# Altium PCB RK_NVR_DEMO1_RK3588_LP4XD200P232SD8_V21_20211228_final_lint.PcbDoc (part 20 of 29)
Units mm, origin at the board's own origin, x right, y up, seen from the top; angles counter-clockwise.
Board outline 170.08 x 169.98 mm, 8 copper layers (TOP, L2-GND1, L3-POWER1, L4-S1, L5-GND2, L6-S2, L7-GND3, BOTTOM), stack 2.118 mm thick; 1650 components, 1119 nets, 6165 pads, 15417 vias.
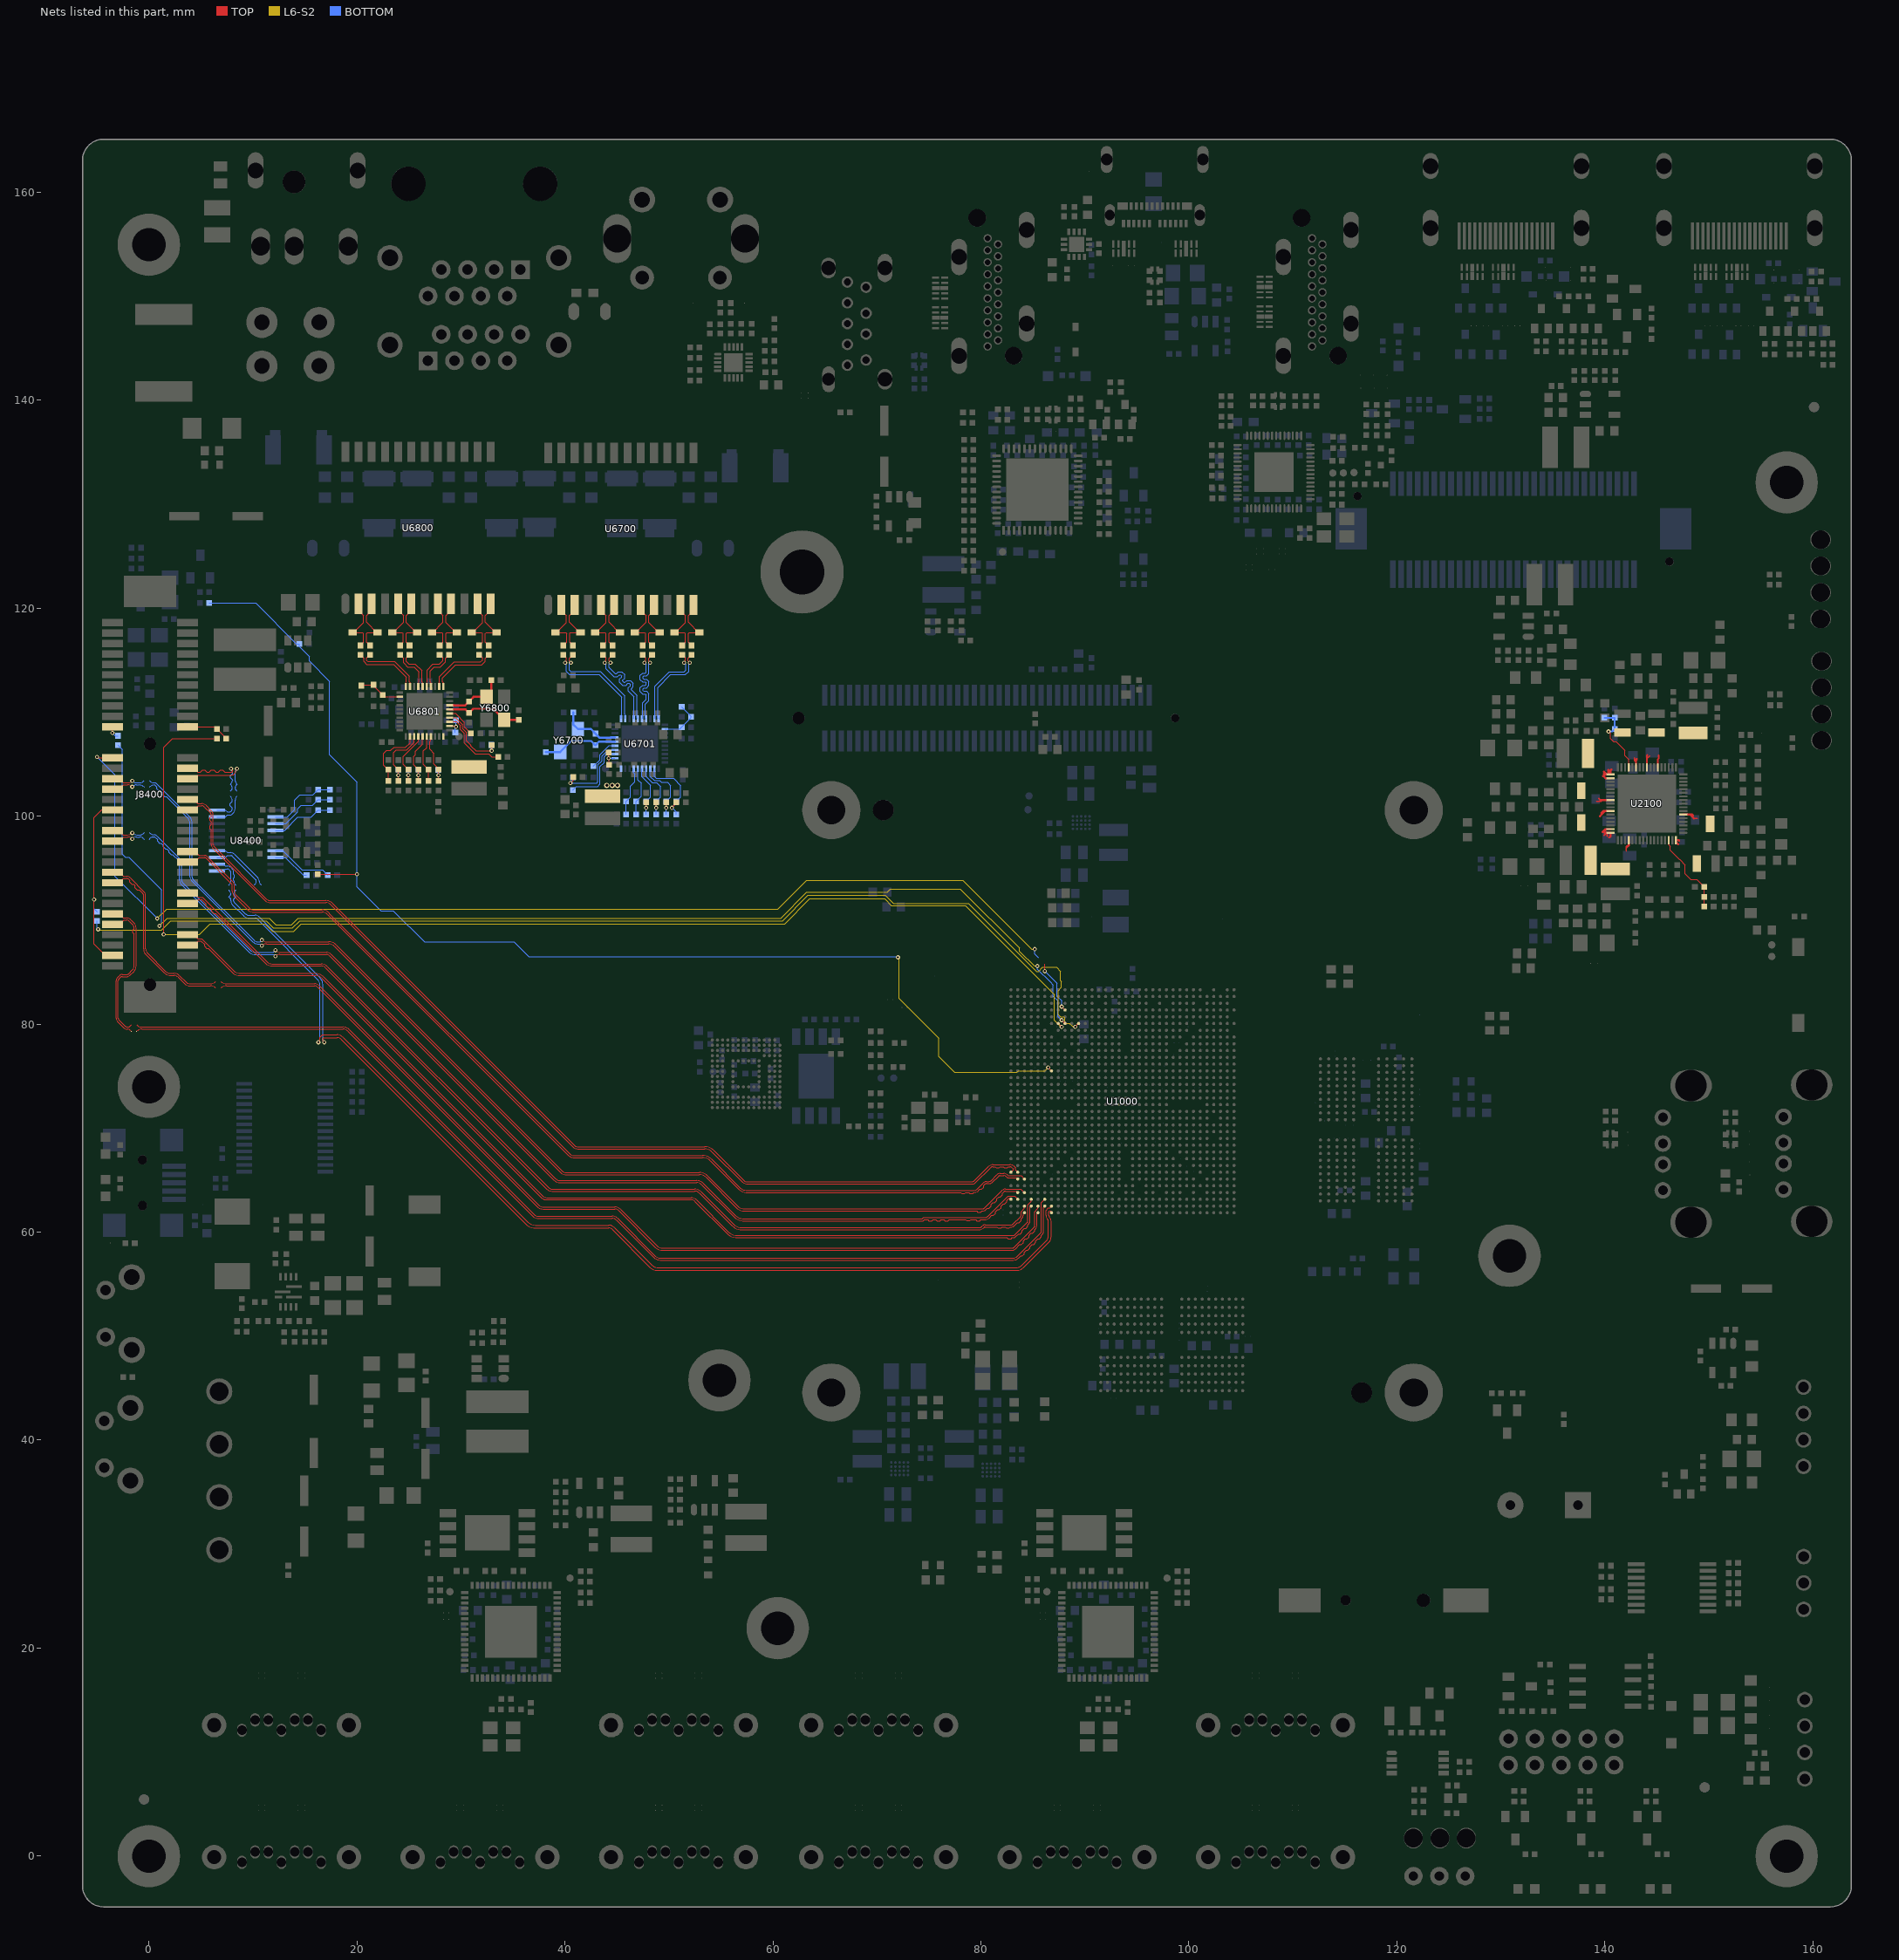
[diagram p26: the nets of this part, all layers, seen from the top]

## Via types
v1: diameter 0.4, hole 0.2, TOP to BOTTOM, 1688 vias
v2: diameter 0.4/0.4 (per signal layer), hole 0.2, TOP to L2-GND1, 1605 vias
v3: diameter 0/0/0/0/0/0/0/0.4 (per signal layer), hole 0.2, TOP to BOTTOM, 1253 vias
v4: diameter 0.4/0/0/0/0/0/0/0 (per signal layer), hole 0.2, TOP to BOTTOM, 1253 vias
v5: diameter 0.5, hole 0.3, TOP to BOTTOM, 857 vias
v6: diameter 0.4/0.4/0.4/0.4/0.4 (per signal layer), hole 0.2, L4-S1 to BOTTOM, 836 vias
v7: diameter 0/0/0/0/0/0/0/0.5 (per signal layer), hole 0.3, TOP to BOTTOM, 772 vias
v8: diameter 0.5/0/0/0/0/0/0/0 (per signal layer), hole 0.3, TOP to BOTTOM, 772 vias
v9: diameter 0.5/0.5 (per signal layer), hole 0.3, TOP to L2-GND1, 766 vias
v10: diameter 0.4/0.4 (per signal layer), hole 0.2, L7-GND3 to BOTTOM, 611 vias
v11: diameter 0.4/0.4/0.4/0.4 (per signal layer), hole 0.2, L5-GND2 to BOTTOM, 579 vias
v12: diameter 0.4 (per signal layer), hole 0.2, L6-S2 to L6-S2, 535 vias
v13: diameter 0.5/0.5/0.5/0.5/0.5 (per signal layer), hole 0.3, L4-S1 to BOTTOM, 457 vias
v14: diameter 0.5/0.5/0.5/0.5 (per signal layer), hole 0.3, L5-GND2 to BOTTOM, 455 vias
v15: diameter 0.4 (per signal layer), hole 0.2, L5-GND2 to L5-GND2, 418 vias
v16: diameter 0.5/0.5/0.5 (per signal layer), hole 0.3, TOP to L3-POWER1, 306 vias
v17: diameter 0.4 (per signal layer), hole 0.2, L4-S1 to L4-S1, 300 vias
v18: diameter 0.4/0.4/0.4 (per signal layer), hole 0.2, TOP to L3-POWER1, 287 vias
v19: diameter 0.5 (per signal layer), hole 0.3, L3-POWER1 to L3-POWER1, 242 vias
v20: diameter 0.5 (per signal layer), hole 0.3, L4-S1 to L4-S1, 240 vias
v21: diameter 0.5/0.5 (per signal layer), hole 0.3, L7-GND3 to BOTTOM, 192 vias
v22: diameter 0.5 (per signal layer), hole 0.3, L6-S2 to L6-S2, 166 vias
v23: diameter 0.4/0.4/0.4/0.4/0.4 (per signal layer), hole 0.2, TOP to L5-GND2, 134 vias
v24: diameter 0.5 (per signal layer), hole 0.3, L5-GND2 to L5-GND2, 114 vias
v25: diameter 0.5/0.5 (per signal layer), hole 0.3, L3-POWER1 to L4-S1, 111 vias
v26: diameter 0.4 (per signal layer), hole 0.2, L3-POWER1 to L3-POWER1, 93 vias
v27: diameter 0.4/0.4 (per signal layer), hole 0.2, L4-S1 to L5-GND2, 59 vias
v28: diameter 0.4/0.4/0/0/0.4/0/0.4/0.4 (per signal layer), hole 0.2, TOP to BOTTOM, 56 vias
v29: diameter 0.4/0/0/0.4/0/0/0/0.4 (per signal layer), hole 0.2, TOP to BOTTOM, 51 vias
v30: diameter 0.5/0.5 (per signal layer), hole 0.3, L4-S1 to L5-GND2, 46 vias
v31: diameter 0.4/0/0/0/0/0.4/0/0.4 (per signal layer), hole 0.2, TOP to BOTTOM, 42 vias
v32: diameter 0.5/0.5/0.5/0.5/0.5 (per signal layer), hole 0.3, TOP to L5-GND2, 32 vias
v33: diameter 0.4/0.4 (per signal layer), hole 0.2, L3-POWER1 to L4-S1, 29 vias
v34: diameter 0.4/0/0.4/0/0/0/0/0.4 (per signal layer), hole 0.2, TOP to BOTTOM, 29 vias
v35: diameter 0.4/0.4/0/0/0.4/0.4/0.4/0.4 (per signal layer), hole 0.2, TOP to BOTTOM, 21 vias
v36: diameter 0.5/0.5/0.5/0/0.5/0.5/0.5/0.5 (per signal layer), hole 0.3, TOP to BOTTOM, 4 vias
v37: diameter 0.5/0.5/0/0.5/0.5/0.5/0.5/0.5 (per signal layer), hole 0.3, TOP to BOTTOM, 3 vias
v38: diameter 0.4/0/0.4/0.4/0/0/0/0.4 (per signal layer), hole 0.2, TOP to BOTTOM, 2 vias
v39: diameter 0.4/0.4/0.4/0/0.4/0/0.4/0.4 (per signal layer), hole 0.2, TOP to BOTTOM, 1 vias

## Nets (pads, with @x,y where several pads share a name; then routed paths per layer and width w, separated by ;. In a path a pad name is that pad's centre, name@x,y a point inside that pad or via, vN(x,y) a via of type N, cw(c..) or ccw(c..) an arc to the next point about the centre after c; other vN are vias at no path point) (continued)
PCIE30_PORT0_RX0N: J8400.A17 U1000.G34 | length 97.8
  TOP w0.094: J8400.A17@3.705,100.599 4.337,100.599 4.735,100.998 5.062,100.998 cw(c5.062,100.613) 5.334,100.885 5.902,100.317 cw(c5.699,100.114) 5.986,100.114 5.986,99.954 5.877,99.845 5.877,99.565 5.986,99.456 5.986,99.177 5.877,99.067 5.877,98.788 5.986,98.679 5.986,97.27 ccw(c6.476,97.269) 6.129,96.923 11.155,91.897 ccw(c11.675,92.417) 11.675,91.682 17.019,91.682 cw(c17.019,91.031) 17.479,91.491 40.764,68.206 ccw(c41.241,68.683) 41.241,68.009 53.452,68.009 cw(c53.452,67.012) 54.157,67.717 57.002,64.872 ccw(c57.584,65.455) 57.585,64.631 79.128,64.631 ccw(c79.128,65.174) 79.512,64.79 80.887,66.164 cw(c81.17,65.882) 81.17,66.282 81.364,66.282 81.473,66.172 81.753,66.172 81.862,66.282 82.141,66.282 82.251,66.172 82.53,66.172 82.639,66.282 82.795,66.282 cw(c82.795,65.984) 83.006,66.194 83.114,66.086 83.114,65.979 U1000.G34@82.891,65.756
PCIE30_PORT0_RX0P: J8400.A16 U1000.G33 | length 97.7
  TOP w0.094: J8400.A16@3.705,101.599 4.297,101.599 4.696,101.201 5.062,101.201 cw(c5.062,100.613) 5.478,101.029 6.045,100.461 cw(c5.699,100.114) 6.189,100.114 6.189,97.27 ccw(c6.476,97.27) 6.273,97.067 11.299,92.041 ccw(c11.675,92.417) 11.675,91.885 17.019,91.885 cw(c17.019,91.031) 17.623,91.635 40.908,68.35 ccw(c41.241,68.683) 41.241,68.212 53.452,68.212 cw(c53.452,67.012) 54.301,67.86 57.145,65.016 ccw(c57.585,65.455) 57.585,64.834 79.128,64.834 ccw(c79.128,65.174) 79.368,64.933 80.743,66.308 cw(c81.17,65.882) 81.17,66.485 82.795,66.485 cw(c82.796,65.984) 83.149,66.338 83.317,66.17 83.317,65.979 U1000.G33@83.541,65.756
PCIE30_PORT0_RX1N: J8400.A22 U1000.F33 | length 94.6
  TOP w0.094: J8400.A22@3.705,95.6 4.417,95.6 4.816,95.998 5.376,95.998 cw(c5.376,95.829) 5.496,95.948 7.934,93.51 cw(c7.731,93.307) 8.018,93.307 8.018,92.782 ccw(c8.711,92.782) 8.221,92.291 9.53,90.983 ccw(c10.05,91.503) 10.05,90.767 16.654,90.767 cw(c16.654,90.062) 17.152,90.561 17.239,90.474 40.342,67.371 ccw(c40.826,67.855) 40.826,67.171 53.23,67.171 cw(c53.23,66.128) 53.967,66.865 56.745,64.087 ccw(c57.395,64.737) 57.395,63.818 78.049,63.818 78.158,63.709 78.437,63.709 78.546,63.818 78.826,63.818 78.935,63.709 79.214,63.709 79.324,63.818 79.341,63.818 ccw(c79.341,64.45) 79.788,64.003 79.899,64.114 80.054,64.114 80.252,64.312 80.252,64.466 80.37,64.585 cw(c80.56,64.395) 80.56,64.664 80.789,64.664 ccw(c80.789,65.138) 81.125,64.803 81.684,65.361 cw(c81.842,65.203) 81.842,65.427 82.203,65.427 cw(c82.203,65.079) 82.448,65.325 ccw(c82.715,65.591) 82.715,65.215 83.447,65.215 83.541,65.121 U1000.F33@83.541,65.106
PCIE30_PORT0_RX1P: J8400.A21 U1000.F32 | length 95.1
  TOP w0.094: J8400.A21@3.705,96.6 4.421,96.6 4.819,96.201 5.376,96.201 cw(c5.376,95.829) 5.639,96.092 8.077,93.654 cw(c7.731,93.307) 8.221,93.307 8.221,92.782 ccw(c8.711,92.782) 8.365,92.435 9.673,91.126 ccw(c10.05,91.503) 10.05,90.97 16.654,90.97 cw(c16.654,90.062) 17.296,90.705 17.383,90.617 40.486,67.515 ccw(c40.826,67.855) 40.826,67.374 53.23,67.374 cw(c53.23,66.128) 54.111,67.009 56.889,64.231 ccw(c57.395,64.737) 57.395,64.021 79.341,64.021 ccw(c79.341,64.45) 79.644,64.147 80.108,64.61 80.227,64.729 cw(c80.56,64.395) 80.56,64.867 80.789,64.867 ccw(c80.789,65.138) 80.981,64.946 81.54,65.505 cw(c81.842,65.203) 81.842,65.63 82.203,65.63 cw(c82.203,65.079) 82.592,65.469 ccw(c82.715,65.591) 82.715,65.418 83.878,65.418 U1000.F32@84.191,65.106
PCIE30_PORT0_TX0N: C8402.1 U1000.D33 | length 105.1
  TOP w0.094: v3@10.869,87.526 cw(c11.335,87.06) 11.335,87.719 17.273,87.719 cw(c17.273,86.916) 17.841,87.484 39.583,65.742 ccw(c40.119,66.278) 40.119,65.52 52.925,65.52 cw(c52.925,64.587) 53.584,65.247 56.445,62.385 ccw(c57.279,63.219) 57.279,62.04 79.587,62.04 79.696,61.931 79.975,61.931 80.085,62.04 80.172,62.04 ccw(c80.171,62.505) 80.5,62.176 80.62,62.296 80.775,62.296 80.972,62.494 80.972,62.648 81.17,62.845 81.324,62.845 81.522,63.043 81.522,63.198 81.719,63.395 81.874,63.395 82.072,63.593 82.072,63.747 82.184,63.86 cw(c82.389,63.655) 82.389,63.945 83.401,63.945 U1000.D33@83.541,63.806
  BOTTOM w0.094: C8402.1@0.047,102.782 0.053,102.787 cw(c0.561,102.28) 0.561,102.998 0.758,102.8 0.758,102.646 0.956,102.448 1.11,102.448 1.308,102.251 1.308,102.096 1.505,101.898 1.66,101.898 3.75,99.809 cw(c3.257,99.316) 3.954,99.316 3.954,94.162 ccw(c4.504,94.162) 4.115,93.773 9.967,87.921 ccw(c10.456,88.413) 10.456,87.719 10.676,87.719 v4(10.869,87.526)
  other v3: 10.869,87.526
PCIE30_PORT0_TX0P: C8401.1 U1000.D32 | length 105.3
  TOP w0.094: v4(10.869,88.091) ccw(c11.277,88.499) 11.277,87.922 17.273,87.922 cw(c17.273,86.916) 17.985,87.628 39.727,65.885 ccw(c40.12,66.278) 40.12,65.723 52.925,65.723 cw(c52.925,64.587) 53.728,65.39 56.589,62.529 ccw(c57.28,63.219) 57.28,62.243 80.171,62.243 ccw(c80.171,62.505) 80.356,62.32 82.04,64.004 cw(c82.389,63.655) 82.389,64.148 83.848,64.148 U1000.D32@84.191,63.806
  BOTTOM w0.094: C8401.1@0.047,103.417 0.096,103.368 ccw(c0.499,103.772) 0.499,103.201 0.645,103.201 3.893,99.953 cw(c3.256,99.316) 4.157,99.316 4.157,94.162 ccw(c4.504,94.162) 4.259,93.917 10.101,88.075 10.109,88.066 ccw(c10.456,88.413) 10.456,87.922 10.7,87.922 v4(10.869,88.091)
  other v3: 10.869,88.091
PCIE30_PORT0_TX1N: C8404.1 U1000.C34 | length 101.2
  TOP w0.094: v4(12.164,86.536) cw(c12.569,86.131) 12.569,86.703 17.06,86.703 cw(c17.06,86.276) 17.362,86.578 38.942,64.998 ccw(c39.523,65.58) 39.524,64.758 52.667,64.758 cw(c52.667,64.093) 53.137,64.563 56.266,61.434 ccw(c57.09,62.258) 57.091,61.092 74.457,61.092 74.566,61.202 74.896,61.202 75.005,61.092 75.285,61.092 75.394,61.202 75.673,61.202 75.782,61.092 76.062,61.092 76.171,61.202 76.45,61.202 76.56,61.092 76.839,61.092 76.948,61.202 78.528,61.202 78.63,61.1 78.935,61.1 79.036,61.202 79.498,61.202 79.608,61.092 79.887,61.092 79.996,61.202 80.416,61.202 ccw(c80.417,61.752) 80.806,61.363 81.045,61.602 81.199,61.602 81.397,61.8 81.397,61.954 81.595,62.152 81.749,62.152 81.947,62.35 81.947,62.504 82.144,62.701 82.299,62.701 82.497,62.899 82.497,63.054 82.694,63.251 82.795,63.251 U1000.C34@82.891,63.156
  BOTTOM w0.094: C8404.1@0.047,97.782 0.139,97.874 cw(c0.437,97.576) 0.438,97.998 0.465,97.998 cw(c0.465,97.711) 0.668,97.914 0.831,97.75 0.831,97.596 1.029,97.398 1.183,97.398 1.381,97.201 1.381,97.047 1.579,96.849 1.733,96.849 1.93,96.651 1.93,96.497 2.128,96.299 2.283,96.299 2.836,95.746 cw(c2.591,95.5) 2.938,95.5 2.938,93.857 ccw(c3.488,93.857) 3.099,93.468 9.601,86.966 ccw(c10.235,87.6) 10.235,86.703 11.997,86.703 v4(12.164,86.536)
  other v3: 12.164,86.536
PCIE30_PORT0_TX1P: C8403.1 U1000.C33 | length 100.9
  TOP w0.094: v3@12.164,87.101 ccw(c12.633,87.57) 12.633,86.906 17.06,86.906 cw(c17.06,86.276) 17.506,86.722 39.086,65.142 ccw(c39.523,65.58) 39.523,64.961 52.667,64.961 cw(c52.667,64.093) 53.281,64.707 56.41,61.577 ccw(c57.091,62.258) 57.091,61.296 74.372,61.296 74.482,61.405 80.416,61.405 ccw(c80.416,61.752) 80.662,61.506 82.61,63.454 83.242,63.454 U1000.C33@83.541,63.156
  BOTTOM w0.094: C8403.1@0.047,98.417 0.124,98.34 ccw(c0.455,98.672) 0.455,98.203 0.484,98.203 cw(c0.484,97.762) 0.796,98.074 2.98,95.889 cw(c2.591,95.5) 3.141,95.5 3.141,93.857 ccw(c3.488,93.857) 3.243,93.612 9.745,87.11 ccw(c10.235,87.6) 10.235,86.906 11.97,86.906 v4(12.164,87.101)
  other v3: 12.164,87.101
PCIE30_PORT1_REFCLKN_IN: R8424.2 R8425.1 U1000.B28 | length 103.4
  TOP w0.076: v4(16.3,78.254) 16.443,78.397 16.443,78.742 16.682,78.982 18.088,78.982 cw(c18.088,78.18) 18.654,78.747 36.434,60.967 ccw(c37.155,61.688) 37.155,60.668 44.214,60.668 cw(c44.214,59.935) 44.732,60.453 48.384,56.802 ccw(c48.861,57.279) 48.861,56.604 83.495,56.604 ccw(c83.495,57.149) 83.88,56.764 86.321,59.205 ccw(c85.942,59.584) 86.478,59.584 86.478,61.059 ccw(c86.229,61.059) 86.405,61.235 cw(c86.778,61.608) 86.251,61.607 86.251,62.081 86.491,62.32 86.658,62.32 86.791,62.454 U1000.B28@86.791,62.506
  BOTTOM w0.076: R8424.2@7.697,92.879 7.728,92.848 cw(c7.375,92.495) 7.875,92.494 cw(c7.7,92.495) 7.823,92.371 R8425.1@7.693,92.24 7.823,92.11 cw(c7.7,91.986) 7.875,91.986 7.875,91.843 ccw(c8.383,91.843) 8.023,91.484 9.09,90.417 9.1,90.407 ccw(c9.643,90.953) 9.643,90.183 10.205,90.183 cw(c10.205,89.857) 10.436,90.087 16.253,84.27 cw(c15.795,83.812) 16.443,83.812 16.443,78.397 v4(16.3,78.254)
  other v3: 16.3,78.254
PCIE30_PORT1_REFCLKP_IN: R8423.2 R8426.1 U1000.A28 | length 102.9
  TOP w0.076: v4(16.865,78.254) 16.722,78.397 16.722,78.626 16.798,78.702 18.088,78.702 cw(c18.088,78.18) 18.457,78.549 36.237,60.769 ccw(c37.155,61.688) 37.155,60.389 44.214,60.389 cw(c44.214,59.935) 44.535,60.256 48.186,56.604 ccw(c48.861,57.279) 48.861,56.325 83.496,56.325 ccw(c83.495,57.149) 84.078,56.566 86.519,59.007 ccw(c85.942,59.584) 86.758,59.584 86.758,61.059 ccw(c86.229,61.059) 86.603,61.432 cw(c86.778,61.608) 86.53,61.608 86.53,61.965 86.607,62.041 86.715,62.041 86.791,61.965 U1000.A28@86.791,61.856
  BOTTOM w0.076: R8423.2@8.332,92.879 8.3,92.848 ccw(c8.654,92.495) 8.154,92.494 ccw(c8.329,92.495) 8.205,92.371 R8426.1@8.336,92.24 8.205,92.11 ccw(c8.329,91.986) 8.154,91.986 8.154,91.843 ccw(c8.383,91.843) 8.221,91.682 9.285,90.617 9.297,90.606 ccw(c9.644,90.953) 9.643,90.462 10.205,90.462 cw(c10.205,89.857) 10.633,90.285 16.451,84.468 cw(c15.795,83.812) 16.722,83.813 16.722,78.397 v4(16.865,78.254)
  other v3: 16.865,78.254
PCIE30_PORT1_RX2N: J8400.A26 U1000.A32 | length 94.8
  TOP w0.094: J8400.A26@3.705,91.6 4.38,91.6 4.778,91.998 5.06,91.998 5.505,91.553 5.505,91.398 5.703,91.201 5.857,91.201 6.054,91.003 6.054,90.849 6.252,90.651 6.407,90.651 11.218,85.84 ccw(c11.831,86.453) 11.831,85.586 16.552,85.586 cw(c16.552,84.943) 17.007,85.397 38.255,64.149 ccw(c38.748,64.642) 38.748,63.945 52.464,63.945 cw(c52.464,63.281) 52.934,63.75 56.065,60.619 ccw(c56.989,61.543) 56.989,60.236 79.849,60.236 ccw(c79.849,60.808) 80.253,60.404 80.298,60.448 cw(c80.399,60.347) 80.399,60.49 81.546,60.49 81.655,60.381 81.934,60.381 82.044,60.49 82.323,60.49 82.432,60.381 82.712,60.381 82.821,60.49 82.897,60.49 ccw(c82.897,60.981) 83.244,60.634 83.522,60.912 83.676,60.912 83.874,61.11 83.874,61.264 83.964,61.354 ccw(c83.704,61.613) 84.071,61.613 84.071,61.736 U1000.A32@84.191,61.856
PCIE30_PORT1_RX2P: J8400.A25 U1000.B32 | length 94.8
  TOP w0.094: J8400.A25@3.705,92.6 4.357,92.6 4.755,92.201 5.144,92.201 11.362,85.983 ccw(c11.832,86.453) 11.832,85.789 16.552,85.789 cw(c16.552,84.943) 17.15,85.541 38.399,64.292 ccw(c38.748,64.641) 38.748,64.148 52.464,64.148 cw(c52.464,63.281) 53.077,63.894 56.208,60.763 ccw(c56.989,61.543) 56.989,60.44 79.849,60.44 ccw(c79.849,60.808) 80.109,60.548 80.154,60.592 cw(c80.399,60.347) 80.399,60.694 82.897,60.694 ccw(c82.897,60.981) 83.1,60.778 83.82,61.498 ccw(c83.704,61.614) 83.868,61.614 83.868,61.97 84.191,62.292 U1000.B32@84.191,62.506
PCIE30_PORT1_RX3N: J8400.A30 U1000.B31 | length 95.4
  TOP w0.094: J8400.A30@3.705,87.6 4.342,87.6 4.74,87.998 4.996,87.998 5.353,87.641 5.353,87.487 5.55,87.289 5.705,87.289 8.018,84.976 ccw(c8.754,85.712) 8.754,84.671 16.044,84.671 cw(c16.044,83.891) 16.596,84.443 37.694,63.345 ccw(c38.269,63.919) 38.269,63.107 52.119,63.107 cw(c52.119,62.529) 52.527,62.937 55.572,59.893 ccw(c56.582,60.904) 56.583,59.474 82.509,59.474 82.618,59.365 82.897,59.365 83.007,59.474 83.13,59.474 ccw(c83.13,59.851) 83.396,59.585 83.622,59.81 83.776,59.81 83.974,60.008 83.974,60.162 84.172,60.36 84.326,60.36 84.524,60.558 84.524,60.712 84.616,60.804 ccw(c84.361,61.059) 84.721,61.059 84.721,62.386 U1000.B31@84.841,62.506
PCIE30_PORT1_RX3P: J8400.A29 U1000.C31 | length 95.4
  TOP w0.094: J8400.A29@3.705,88.6 4.293,88.6 4.691,88.201 5.08,88.201 8.162,85.12 ccw(c8.754,85.712) 8.754,84.874 16.044,84.874 cw(c16.044,83.89) 16.74,84.586 37.838,63.488 ccw(c38.269,63.919) 38.269,63.31 52.119,63.31 cw(c52.119,62.529) 52.671,63.081 55.715,60.037 ccw(c56.583,60.904) 56.583,59.678 83.13,59.678 ccw(c83.13,59.851) 83.253,59.728 84.472,60.948 ccw(c84.361,61.059) 84.518,61.059 84.518,62.62 84.841,62.942 U1000.C31@84.841,63.156
PCIE30_PORT1_TX2N: C8406.1 U1000.A30 | length 91.5
  TOP w0.094: C8406.1@6.939,83.463 cw(c7.46,82.942) 7.46,83.679 15.943,83.679 cw(c15.943,83.294) 16.215,83.566 37.319,62.462 ccw(c37.909,63.051) 37.909,62.218 44.797,62.218 cw(c44.797,61.685) 45.173,62.062 48.705,58.53 ccw(c49.369,59.194) 49.369,58.255 82.999,58.255 ccw(c82.999,58.704) 83.316,58.386 83.722,58.793 83.877,58.793 84.075,58.991 84.075,59.145 84.272,59.343 84.426,59.343 84.624,59.54 84.624,59.695 84.822,59.892 84.976,59.892 85.174,60.09 85.174,60.244 85.263,60.334 ccw(c85.003,60.594) 85.371,60.594 85.371,61.736 U1000.A30@85.491,61.856
PCIE30_PORT1_TX2P: C8405.1 U1000.B30 | length 91.7
  TOP w0.094: C8405.1@6.939,84.098 ccw(c7.46,84.619) 7.46,83.882 15.943,83.882 cw(c15.943,83.294) 16.359,83.71 37.463,62.605 ccw(c37.909,63.051) 37.909,62.421 44.797,62.421 cw(c44.797,61.685) 45.317,62.205 48.759,58.763 48.849,58.674 ccw(c49.369,59.194) 49.369,58.458 82.999,58.458 ccw(c82.999,58.704) 83.172,58.53 85.12,60.478 ccw(c85.003,60.594) 85.168,60.594 85.168,61.974 85.491,62.296 U1000.B30@85.491,62.506
PCIE30_PORT1_TX3N: C8408.1 U1000.B29 | length 100.4
  TOP w0.094: C8408.1@-1.189,79.298 cw(c-0.668,78.776) -0.668,79.513 18.686,79.513 cw(c18.686,78.904) 19.117,79.335 36.909,61.543 ccw(c37.426,62.061) 37.427,61.329 44.55,61.329 cw(c44.55,60.751) 44.958,61.159 48.565,57.553 ccw(c49.138,58.126) 49.138,57.315 83.143,57.315 ccw(c83.143,58.009) 83.634,57.519 83.823,57.708 83.977,57.708 84.175,57.905 84.175,58.06 84.372,58.257 84.527,58.257 84.724,58.455 84.724,58.609 84.922,58.807 85.076,58.807 85.274,59.005 85.274,59.159 85.472,59.356 85.626,59.356 85.824,59.554 85.824,59.709 85.92,59.805 ccw(c85.674,60.05) 86.021,60.05 86.021,62.386 U1000.B29@86.141,62.506
PCIE30_PORT1_TX3P: C8407.1 U1000.C29 | length 100.4
  TOP w0.094: C8407.1@-1.189,79.933 ccw(c-0.668,80.454) -0.668,79.717 18.686,79.717 cw(c18.686,78.904) 19.261,79.479 37.053,61.687 ccw(c37.427,62.061) 37.427,61.532 44.55,61.532 cw(c44.55,60.751) 45.102,61.303 48.709,57.696 ccw(c49.138,58.126) 49.138,57.519 83.143,57.519 ccw(c83.143,58.009) 83.49,57.662 85.776,59.948 ccw(c85.674,60.05) 85.818,60.05 85.818,62.833 U1000.C29@86.141,63.156
PCIE30_TX0_N: C8402.2 J8400.B15 | length 3.4
  TOP w0.094: J8400.B15@-3.495,102.599 -2.828,102.599 -2.43,102.998 -2.039,102.998 cw(c-2.039,102.38) v4(-1.602,102.817)
  BOTTOM w0.094: v4(-1.602,102.817) -1.559,102.861 cw(c-1.228,102.53) -1.228,102.998 -0.975,102.998 cw(c-0.975,102.261) C8402.2@-0.453,102.782
  other v3: -1.602,102.817
PCIE30_TX0_P: C8401.2 J8400.B14 | length 3.4
  TOP w0.094: J8400.B14@-3.495,103.599 -2.863,103.599 -2.464,103.201 -2.04,103.201 ccw(c-2.04,103.819) v3@-1.602,103.382
  BOTTOM w0.094: v4(-1.602,103.382) -1.558,103.338 ccw(c-1.228,103.668) -1.228,103.201 -0.975,103.201 ccw(c-0.975,103.938) C8401.2@-0.453,103.417
  other v3: -1.602,103.382
PCIE30_TX1_N: C8404.2 J8400.B20 | length 3.4
  TOP w0.094: J8400.B20@-3.495,97.599 -2.828,97.599 -2.43,97.998 -2.039,97.998 cw(c-2.039,97.38) v3@-1.602,97.817
  BOTTOM w0.094: v3@-1.602,97.817 cw(c-1.166,97.38) -1.166,97.998 -0.923,97.998 cw(c-0.923,97.385) -0.49,97.818 C8404.2@-0.453,97.782
  other v3: -1.602,97.817
  other v4: -1.602,97.817
PCIE30_TX1_P: C8403.2 J8400.B19 | length 3.4
  TOP w0.094: J8400.B19@-3.495,98.599 -2.863,98.599 -2.464,98.201 -2.04,98.201 ccw(c-2.04,98.819) v4(-1.602,98.382)
  BOTTOM w0.094: v3@-1.602,98.382 ccw(c-1.165,98.819) -1.165,98.201 -0.821,98.201 ccw(c-0.822,98.568) -0.562,98.309 C8403.2@-0.453,98.417
  other v3: -1.602,98.382
PCIE30_TX2_N: C8406.2 J8400.B24 | length 17.8
  TOP w0.094: J8400.B24@-3.495,93.6 -2.866,93.6 -2.468,93.998 -2.135,93.998 cw(c-2.135,93.721) -1.939,93.917 -1.823,93.8 -1.823,93.646 -1.625,93.448 -1.47,93.448 -1.329,93.307 -1.329,93.104 -1.126,92.901 -0.923,92.901 -0.589,92.566 cw(c-0.762,92.393) -0.517,92.393 -0.517,87.224 ccw(c0.207,87.223) -0.305,86.712 1.473,84.934 ccw(c2.107,85.568) 2.107,84.671 2.43,84.671 cw(c2.43,84.139) 2.806,84.515 3.422,83.899 ccw(c3.954,84.43) 3.954,83.679 5.917,83.679 cw(c5.917,82.942) C8406.2@6.438,83.463
PCIE30_TX2_P: C8405.2 J8400.B23 | length 17.5
  TOP w0.094: J8400.B23@-3.495,94.6 -2.825,94.6 -2.426,94.201 -2.134,94.201 cw(c-2.134,93.721) -1.795,94.061 -0.445,92.71 cw(c-0.762,92.393) -0.313,92.393 -0.313,87.224 ccw(c0.207,87.224) -0.161,86.856 1.617,85.078 ccw(c2.107,85.568) 2.107,84.874 2.43,84.874 cw(c2.43,84.139) 2.95,84.659 3.566,84.043 ccw(c3.954,84.43) 3.954,83.882 5.917,83.882 ccw(c5.917,84.619) C8405.2@6.438,84.098
PCIE30_TX3_N: C8408.2 J8400.B28 | length 14.5
  TOP w0.094: J8400.B28@-3.495,89.6 -2.802,89.6 -2.404,89.998 -2.142,89.998 cw(c-2.142,89.612) -1.869,89.885 -1.583,89.599 -1.575,89.59 cw(c-1.921,89.243) -1.431,89.243 -1.431,89.167 -1.54,89.058 -1.54,88.778 -1.431,88.669 -1.431,85.568 cw(c-1.922,85.568) -1.575,85.221 -1.939,84.857 cw(c-2.142,85.06) -2.142,84.773 -2.549,84.773 ccw(c-2.549,84.325) -2.866,84.642 -3.027,84.48 ccw(c-2.71,84.163) -3.158,84.163 -3.158,80.586 ccw(c-2.672,80.586) -3.016,80.242 -2.457,79.683 ccw(c-2.048,80.092) -2.048,79.513 cw(c-2.048,79.17) -1.805,79.413 C8408.2@-1.69,79.298